# KiCad board ARTIQAmp.kicad_pcb (continued)
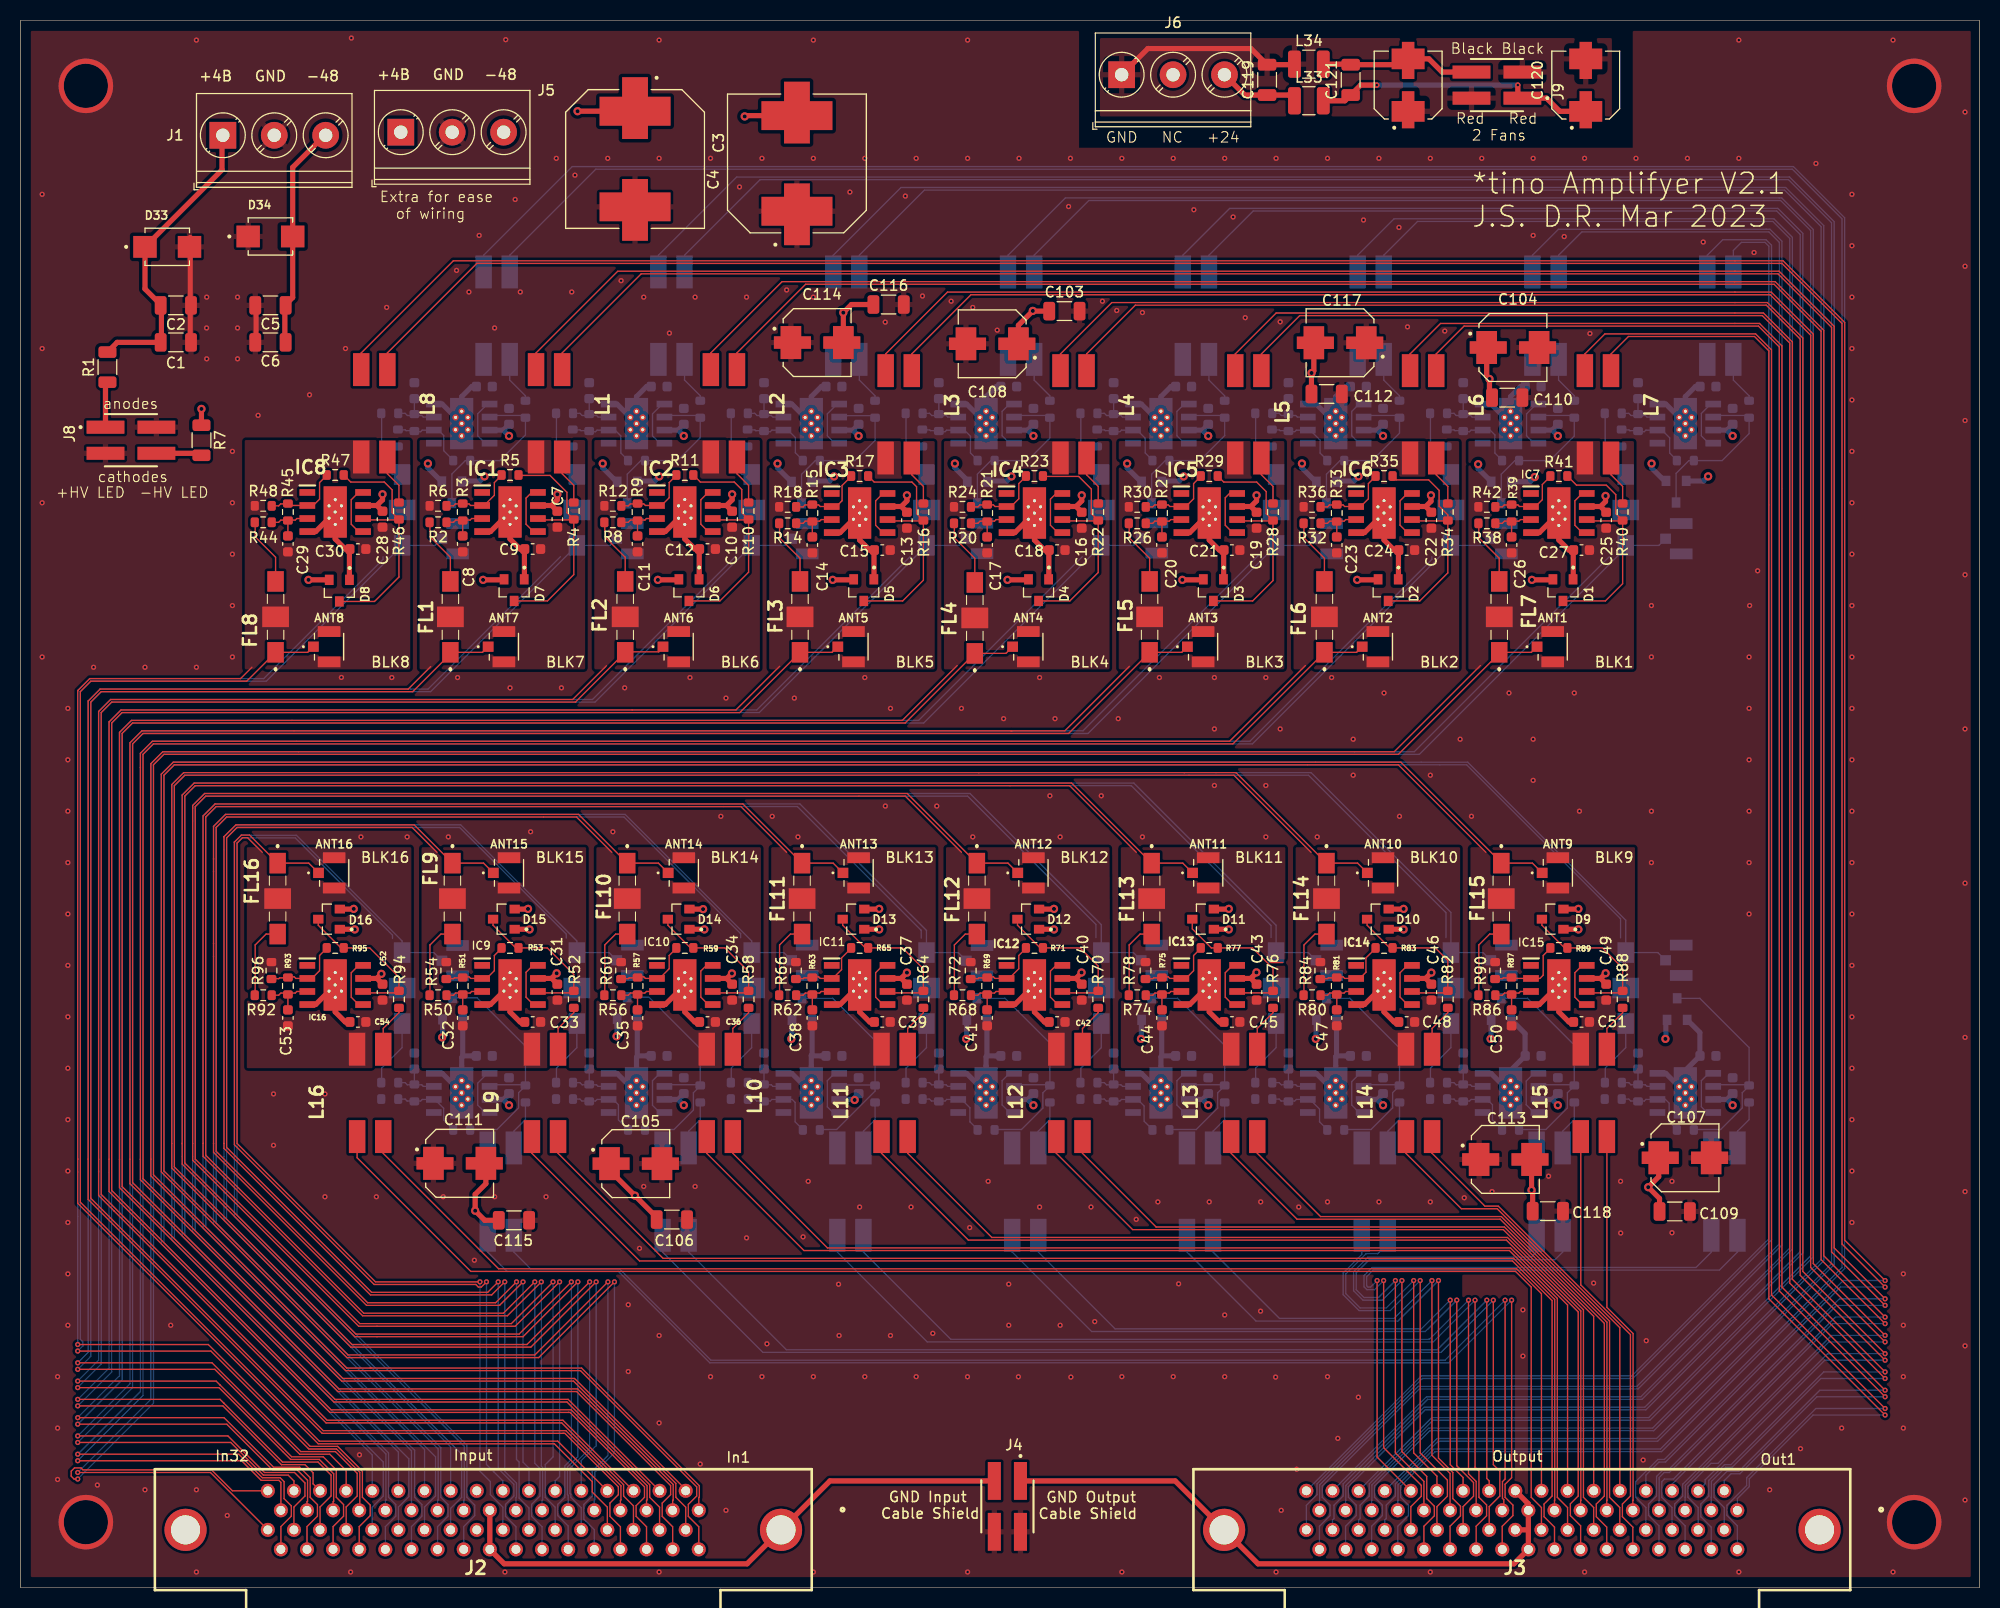
[diagram p0: board, top side]
## Routing (per net, layer and track width the routed paths; a pad name or vN(x,y) marks a point on that pad's centre or on a via; arc(x,y) is an arc through that point) (continued)
Net-(IC2-Pad2): length 7.7
  Top w0.127: 58.39,105.2 59.1,105.2 59.29,105.39 60.61,105.39 60.77,105.23 IC2.2 62.33,105.23 63.08,105.99 63.08,107.46 63.81,108.2
Net-(IC2-Pad5): length 5.3
  Top w0.127: IC2.5 66.87,102.69 66.16,103.41 66.16,105.79 66.87,106.5 IC2.8
Net-(IC3-Pad2): length 7.7
  Top w0.127: 80.81,108.1 79.89,107.18 79.89,105.7 79.33,105.14 IC3.2 77.77,105.14 77.61,105.29 76.29,105.29 76.1,105.1 75.39,105.1
Net-(IC3-Pad5): length 5.3
  Top w0.127: IC3.5 83.87,102.59 83.16,103.31 83.16,105.69 83.87,106.41 IC3.8
Net-(IC4-Pad2): length 7.7
  Top w0.127: 92.39,105.1 93.1,105.1 93.29,105.29 94.61,105.29 94.77,105.14 IC4.2 96.33,105.14 97.08,105.89 97.08,107.36 97.81,108.1
Net-(IC4-Pad5): length 5.4
  Top w0.127: IC4.8 100.71,106.41 100.16,105.85 100.16,103.31 100.87,102.59 IC4.5
Net-(IC5-Pad2): length 7.7
  Top w0.127: 109.39,105.1 110.1,105.1 110.29,105.29 111.61,105.29 111.76,105.14 IC5.2 113.33,105.14 114.08,105.89 114.08,107.36 114.81,108.1
Net-(IC5-Pad5): length 5.5
  Top w0.127: IC5.5 117.87,102.59 117.16,103.31 117.16,105.99 117.57,106.41 IC5.8
Net-(IC6-Pad2): length 7.7
  Top w0.127: 131.81,108.1 131.08,107.36 131.08,105.89 130.33,105.14 IC6.2 128.76,105.14 128.61,105.29 127.29,105.29 127.1,105.1 126.39,105.1
Net-(IC6-Pad5): length 5.3
  Top w0.127: IC6.5 134.87,102.59 134.16,103.31 134.16,105.69 134.87,106.41 IC6.8
Net-(IC7-Pad2): length 7.7
  Top w0.127: 148.81,108.1 147.99,107.28 147.99,105.8 147.33,105.14 IC7.2 145.76,105.14 145.61,105.29 144.29,105.29 144.1,105.1 143.39,105.1
Net-(IC7-Pad5): length 5.3
  Top w0.127: IC7.5 151.87,102.59 151.16,103.31 151.16,105.69 151.87,106.41 IC7.8
Net-(IC8-Pad2): length 7.7
  Top w0.127: 29.81,108.2 29.08,107.46 29.08,105.85 28.46,105.24 IC8.2 26.15,105.24 26,105.39 25.29,105.39 25.1,105.2 24.39,105.2
Net-(IC8-Pad5): length 5.3
  Top w0.127: IC8.8 32.87,106.51 32.16,105.79 32.16,103.41 32.87,102.7 IC8.5
Net-(IC9-Pad2): length 7.6
  Top w0.127: 43,59.29 42.19,59.29 42.11,59.21 41.4,59.21 ; 46.81,62.2 46.08,61.46 46.08,59.99 45.33,59.23 IC9.2 43.77,59.23 43.61,59.39 43,59.39
Net-(IC9-Pad5): length 5.3
  Top w0.127: IC9.8 49.83,60.5 49.16,59.83 49.16,57.41 49.87,56.69 IC9.5
Net-(IC10-Pad2): length 7.5
  Top w0.127: 63.81,62.2 63.08,61.46 63.08,60.18 62.14,59.23 IC10.2 60.77,59.23 60.61,59.39 60,59.39 ; 58.4,59.21 59.11,59.21 59.19,59.29 60,59.29
Net-(IC10-Pad5): length 5.4
  Top w0.127: IC10.5 66.87,56.69 66.16,57.41 66.16,59.95 66.71,60.5 IC10.8
Net-(IC11-Pad2): length 7.4
  Top w0.127: 77,59.39 77.61,59.39 77.77,59.23 IC11.2 78.98,59.23 79.84,60.09 79.84,61.23 80.81,62.2 ; 75.4,59.21 76.11,59.21 76.19,59.29 77,59.29
Net-(IC11-Pad5): length 5.3
  Top w0.127: IC11.5 83.87,56.69 83.16,57.41 83.16,59.8 83.86,60.5 IC11.8
Net-(IC12-Pad2): length 7.5
  Top w0.127: 94,59.39 94.61,59.39 94.77,59.23 IC12.2 96.14,59.23 97.08,60.18 97.08,61.46 97.81,62.2 ; 94,59.29 93.19,59.29 93.11,59.21 92.4,59.21
Net-(IC12-Pad5): length 5.4
  Top w0.127: IC12.8 100.71,60.5 100.16,59.95 100.16,57.41 100.87,56.69 IC12.5
Net-(IC13-Pad2): length 7.6
  Top w0.127: 111,59.39 111.61,59.39 111.76,59.23 IC13.2 113.33,59.23 114.08,59.99 114.08,61.46 114.81,62.2 ; 109.4,59.21 110.11,59.21 110.19,59.29 111,59.29
Net-(IC13-Pad5): length 5.3
  Top w0.127: IC13.5 117.87,56.69 117.16,57.41 117.16,59.79 117.87,60.5 IC13.8
Net-(IC14-Pad2): length 7.5
  Top w0.127: 126.4,59.21 127.11,59.21 127.19,59.29 128,59.29 ; 131.81,62.2 130.84,61.23 130.84,59.84 130.24,59.23 IC14.2 128.76,59.23 128.61,59.39 128,59.39
Net-(IC14-Pad5): length 5.3
  Top w0.127: IC14.8 134.87,60.5 134.16,59.79 134.16,57.41 134.87,56.69 IC14.5
Net-(IC15-Pad2): length 7.8
  Top w0.127: 148.81,62.2 148.08,61.46 148.08,59.55 147.76,59.23 IC15.2 145.05,59.23 145,59.29 144.19,59.29 144.11,59.21 143.4,59.21
Net-(IC15-Pad5): length 5.3
  Top w0.127: IC15.5 151.87,56.69 151.16,57.41 151.16,59.79 151.87,60.5 IC15.8
Net-(IC16-Pad2): length 7.6
  Top w0.127: 24.4,59.21 25.11,59.21 25.19,59.29 26,59.29 ; 29.81,62.2 29.08,61.46 29.08,59.99 28.33,59.23 IC16.2 26.77,59.23 26.61,59.39 26,59.39
Net-(IC16-Pad5): length 5.3
  Top w0.127: IC16.5 32.87,56.69 32.16,57.41 32.16,59.79 32.87,60.5 IC16.8
Net-(IC17-Pad2): length 7.7
  Bottom w0.127: 55.3,112.51 54.49,112.51 54.41,112.59 53.7,112.59 ; 55.3,112.41 55.91,112.41 56.06,112.56 57.81,112.56 58.38,112 58.38,110.34 59.11,109.6
Net-(IC17-Pad5): length 5.1
  Bottom w0.127: 62.61,115.1 62.41,115.1 61.46,114.15 61.46,112.01 62.17,111.3 IC17.8
Net-(IC18-Pad2): length 7.6
  Bottom w0.127: 72.3,112.51 71.49,112.51 71.41,112.59 70.7,112.59 ; 76.11,109.6 75.35,110.36 75.35,111.84 74.63,112.56 73.06,112.56 72.91,112.41 72.3,112.41
Net-(IC18-Pad5): length 5.1
  Bottom w0.127: IC18.5 79.41,115.11 78.46,114.15 78.46,112.01 79.17,111.3 IC18.8
Net-(IC19-Pad2): length 7.7
  Bottom w0.127: 93.11,109.6 92.38,110.34 92.38,111.97 91.78,112.56 90.06,112.56 89.91,112.41 89.3,112.41 ; 89.3,112.51 88.49,112.51 88.41,112.59 87.7,112.59
Net-(IC19-Pad5): length 5.3
  Bottom w0.127: IC19.8 96.17,111.3 95.46,112.01 95.46,114.39 96.17,115.1 96.61,115.1
Net-(IC20-Pad2): length 7.6
  Bottom w0.127: 106.3,112.51 105.49,112.51 105.41,112.59 104.7,112.59 ; 110.11,109.6 109.38,110.34 109.38,111.77 108.59,112.56 107.06,112.56 106.91,112.41 106.3,112.41
Net-(IC20-Pad5): length 5.3
  Bottom w0.127: 113.61,115.1 113.17,115.1 112.46,114.39 112.46,112.01 113.17,111.3 IC20.8
Net-(IC21-Pad2): length 7.5
  Bottom w0.127: 123.3,112.51 122.49,112.51 122.41,112.59 121.7,112.59 ; 123.3,112.41 123.91,112.41 124.06,112.56 125.41,112.56 126.38,111.6 126.38,110.34 127.11,109.6
Net-(IC21-Pad5): length 5.3
  Bottom w0.127: 130.61,115.1 130.17,115.1 129.46,114.39 129.46,112.01 130.17,111.3 IC21.8
Net-(IC22-Pad2): length 7.8
  Bottom w0.127: 140.3,112.41 140.91,112.41 141.06,112.56 142.91,112.56 143.38,112.1 143.38,110.34 144.11,109.6 ; 138.7,112.59 139.41,112.59 139.49,112.51 140.3,112.51
Net-(IC22-Pad5): length 5.1
  Bottom w0.127: IC22.8 147.17,111.3 146.46,112.01 146.46,114.15 147.41,115.1 147.61,115.1
Net-(IC23-Pad2): length 7.6
  Bottom w0.127: 157.3,112.51 156.49,112.51 156.41,112.59 155.7,112.59 ; 161.11,109.6 160.38,110.34 160.38,111.81 159.63,112.56 158.06,112.56 157.91,112.41 157.3,112.41
Net-(IC23-Pad5): length 5.2
  Bottom w0.127: 164.61,115.1 164.37,115.1 163.46,114.19 163.46,112.01 164.17,111.3 IC23.8
Net-(IC24-Pad2): length 7.6
  Bottom w0.127: 38.3,112.41 38.91,112.41 39.06,112.56 40.63,112.56 41.15,112.04 41.15,110.56 42.11,109.6 ; 36.7,112.59 37.41,112.59 37.49,112.51 38.3,112.51
Net-(IC24-Pad5): length 5.1
  Bottom w0.127: IC24.8 45.17,111.3 44.46,112.01 44.46,114.15 45.41,115.1 45.61,115.1
Net-(IC25-Pad2): length 7.7
  Bottom w0.127: 53.69,47.5 54.4,47.5 54.59,47.31 55.91,47.31 56.06,47.47 IC25.2 57.63,47.47 58.14,46.95 58.14,45.47 59.11,44.5
Net-(IC25-Pad5): length 5.3
  Bottom w0.127: IC25.8 62.15,46.19 61.46,46.89 61.46,49.29 62.17,50 IC25.5
Net-(IC26-Pad2): length 7.9
  Bottom w0.127: 70.69,47.5 71.4,47.5 71.59,47.31 72.91,47.31 73.06,47.47 IC26.2 75.03,47.47 75.33,47.17 75.33,45.29 76.11,44.5
Net-(IC26-Pad5): length 5.4
  Bottom w0.127: IC26.5 79.17,50 78.46,49.29 78.46,46.75 79.01,46.19 IC26.8
Net-(IC27-Pad2): length 7.6
  Bottom w0.127: 87.69,47.5 88.4,47.5 88.59,47.31 89.91,47.31 90.06,47.47 IC27.2 91.51,47.47 92.33,46.65 92.33,45.29 93.11,44.5
Net-(IC27-Pad5): length 5.3
  Bottom w0.127: IC27.8 96.19,46.19 95.46,46.92 95.46,49.29 96.17,50 IC27.5
Net-(IC28-Pad2): length 7.7
  Bottom w0.127: 104.69,47.5 105.4,47.5 105.59,47.31 106.91,47.31 107.06,47.47 IC28.2 108.63,47.47 109.27,46.83 109.27,45.35 110.11,44.5
Net-(IC28-Pad5): length 5.3
  Bottom w0.127: IC28.8 113.17,46.19 112.46,46.91 112.46,49.29 113.17,50 IC28.5
Net-(IC29-Pad2): length 7.5
  Bottom w0.127: 121.69,47.5 122.4,47.5 122.59,47.31 123.91,47.31 124.06,47.47 IC29.2 125.39,47.47 126.33,46.53 126.33,45.29 127.11,44.5
Net-(IC29-Pad5): length 5.2
  Bottom w0.127: IC29.5 130.26,50 129.46,49.2 129.46,46.91 130.17,46.19 IC29.8
Net-(IC30-Pad2): length 7.7
  Bottom w0.127: 138.69,47.5 139.4,47.5 139.59,47.31 140.91,47.31 141.06,47.47 IC30.2 142.63,47.47 143.14,46.95 143.14,45.47 144.11,44.5
Net-(IC30-Pad5): length 5.3
  Bottom w0.127: IC30.5 147.17,50 146.42,49.25 146.42,46.95 147.17,46.19 IC30.8
Net-(IC31-Pad2): length 7.9
  Bottom w0.127: 155.69,47.5 156.4,47.5 156.59,47.31 157.91,47.31 158.06,47.47 IC31.2 159.96,47.47 160.33,47.1 160.33,45.29 161.11,44.5
Net-(IC31-Pad5): length 5.4
  Bottom w0.127: IC31.5 164.17,50 163.46,49.29 163.46,46.75 164.01,46.19 IC31.8
Net-(IC32-Pad2): length 7.5
  Bottom w0.127: 36.69,47.5 37.4,47.5 37.59,47.31 38.91,47.31 39.06,47.47 IC32.2 40.28,47.47 41.14,46.61 41.14,45.47 42.11,44.5
Net-(IC32-Pad5): length 5.1
  Bottom w0.127: IC32.5 45.41,50 44.46,49.05 44.46,46.91 45.17,46.19 IC32.8
Net-(J2-Pad17): length 56.8
  Top w0.508: J4.03 78.72,10.36 J2.70 70.66,2.3 47.03,2.3 J2.51 J2.17
Net-(J3-Pad17): length 60.9
  Top w0.508: J3.18 146.63,8.13 J3.17 146.63,5.63 ; 146.63,5.63 J3.51 145.24,2.3 120.34,2.3 112.28,10.36 J4.01 ; 146.63,5.63 146.6,5.6 J3.52
  Bottom w0.508: 146.61,7.52 J3.17
Net-(J6-Pad1): length 18.6
  Top w0.508: 107.08,147.22 J6.1 109.63,149.68 119.65,149.68 C119.2 123.84,148.11 L34.1
Net-(J6-Pad3): length 7.9
  Top w0.508: L33.1 123.33,145.16 C119.1 119.06,145.16 J6.3
Net-(J8-Pad01): length 4.5
  Top w0.508: J8.01 8.26,117.04 R1.1
Net-(J8-Pad04): length 4.5
  Top w0.508: J8.04 17.4,110.31 R7.2
Net-(L1-Pad2): length 4.4
  Top w0.127: 52.67,109.45 52.67,108.32 53.8,107.19 53.8,105.49
Net-(L2-Pad2): length 4.4
  Top w0.127: 69.67,109.45 69.67,108.32 70.8,107.19 70.8,105.49
Net-(L3-Pad2): length 4.4
  Top w0.127: 86.67,109.35 86.67,108.22 87.8,107.09 87.8,105.39
Net-(L4-Pad2): length 4.4
  Top w0.127: 104.8,105.39 104.8,107.09 103.67,108.22 103.67,109.35
Net-(L5-Pad2): length 4.4
  Top w0.127: 120.67,109.35 120.67,108.22 121.8,107.09 121.8,105.39
Net-(L6-Pad2): length 4.4
  Top w0.127: 138.8,105.39 138.8,107.09 137.67,108.22 137.67,109.35
Net-(L7-Pad2): length 4.4
  Top w0.127: 154.67,109.35 154.67,108.22 155.8,107.09 155.8,105.39
Net-(L8-Pad2): length 4.4
  Top w0.127: 36.8,105.49 36.8,107.19 35.67,108.32 35.67,109.45
Net-(L9-Pad1): length 4.2
  Top w0.127: 53.8,56.41 53.8,55.9 52.27,54.37 52.27,52.85
Net-(L10-Pad1): length 4.2
  Top w0.127: 69.27,52.85 69.27,54.37 70.8,55.9 70.8,56.41
Net-(L11-Pad1): length 4.2
  Top w0.127: 86.27,52.85 86.27,54.37 87.8,55.9 87.8,56.41
Net-(L12-Pad1): length 4.2
  Top w0.127: 104.8,56.41 104.8,55.9 103.27,54.37 103.27,52.85
Net-(L13-Pad1): length 4.2
  Top w0.127: 120.27,52.85 120.27,54.37 121.8,55.9 121.8,56.41
Net-(L14-Pad1): length 4.2
  Top w0.127: 138.8,56.41 138.8,55.9 137.27,54.37 137.27,52.85
Net-(L15-Pad1): length 4.2
  Top w0.127: 155.8,56.41 155.8,55.9 154.27,54.37 154.27,52.85
Net-(L16-Pad1): length 4.2
  Top w0.127: 35.27,52.85 35.27,54.37 36.8,55.9 36.8,56.41
Net-(L17-Pad1): length 4.2
  Bottom w0.127: 66.1,115.39 66.1,115.9 64.57,117.43 64.57,118.95
Net-(L18-Pad1): length 4.2
  Bottom w0.127: 83.1,115.39 83.1,115.9 81.57,117.43 81.57,118.95
Net-(L19-Pad1): length 4.2
  Bottom w0.127: 100.1,115.39 100.1,115.9 98.57,117.43 98.57,118.95
Net-(L20-Pad1): length 4.2
  Bottom w0.127: 117.1,115.39 117.1,115.9 115.57,117.43 115.57,118.95
Net-(L21-Pad1): length 4.2
  Bottom w0.127: 132.57,118.95 132.57,117.43 134.1,115.9 134.1,115.39
Net-(L22-Pad1): length 4.2
  Bottom w0.127: 149.57,118.95 149.57,117.43 151.1,115.9 151.1,115.39
Net-(L23-Pad1): length 4.2
  Bottom w0.127: 168.1,115.39 168.1,115.9 166.57,117.43 166.57,118.95
Net-(L24-Pad1): length 4.2
  Bottom w0.127: 49.1,115.39 49.1,115.9 47.57,117.43 47.57,118.95
Net-(L25-Pad2): length 4.4
  Bottom w0.127: 64.97,43.25 64.97,44.38 66.1,45.51 66.1,47.21
Net-(L26-Pad2): length 4.4
  Bottom w0.127: 81.97,43.25 81.97,44.38 83.1,45.51 83.1,47.21
Net-(L27-Pad2): length 4.4
  Bottom w0.127: 98.97,43.25 98.97,44.38 100.1,45.51 100.1,47.21
Net-(L28-Pad2): length 4.4
  Bottom w0.127: 117.1,47.21 117.1,45.51 115.97,44.38 115.97,43.25
Net-(L29-Pad2): length 4.4
  Bottom w0.127: 132.97,43.25 132.97,44.38 134.1,45.51 134.1,47.21
Net-(L30-Pad2): length 4.4
  Bottom w0.127: 149.97,43.25 149.97,44.38 151.1,45.51 151.1,47.21
Net-(L31-Pad2): length 4.4
  Bottom w0.127: 168.1,47.21 168.1,45.51 166.97,44.38 166.97,43.25
Net-(L32-Pad2): length 4.4
  Bottom w0.127: 47.97,43.25 47.97,44.38 49.1,45.51 49.1,47.21

## Copper pours and planes (outline as drawn; the poured copper is in the pictures)
+48V on In2.Cu: 190,1 1,1 1,151.4 102.94,151.4 102.94,140.03 156.78,140.03 156.78,151.4 190,151.4
-48V on In3.Cu: 190,42 1,42 1,120 190,120
-48V on In3.Cu: 190,119.8 1,119.8 1,151.4 102.94,151.4 102.94,140.03 156.78,140.03 156.78,151.4 190,151.4
-48V on In3.Cu: 190,1 1,1 1,42.2 190,42.2
GND on Top: 102.94,140.03 156.78,140.03 156.78,151.4 189.66,151.4 189.66,1 1,1 1,151.4 102.94,151.4
GND on Bottom: 189.66,1 1,1 1,151.4 102.94,151.4 102.94,140.03 156.78,140.03 156.78,151.4 189.66,151.4
GND on In1.Cu: 190,1 1,1 1,151.4 102.94,151.4 102.94,140.03 156.78,140.03 156.78,151.4 190,151.4
GND on In4.Cu: 190,1 1,1 1,151.4 102.94,151.4 102.94,140.03 156.78,140.03 156.78,151.4 190,151.4
/D1_IN_COM on Top: 156.9,89.3 140.8,89.3 140.8,111.5 156.9,111.5
/D2_IN_COM on Top: 139.9,89.3 123.8,89.3 123.8,111.5 139.9,111.5
/D3_IN_COM on Top: 122.9,89.3 106.8,89.3 106.8,111.5 122.9,111.5
/D4_IN_COM on Top: 105.9,89.3 89.8,89.3 89.8,111.5 105.9,111.5
/D5_IN_COM on Top: 88.9,89.3 72.8,89.3 72.8,111.5 88.9,111.5
/D6_IN_COM on Top: 71.9,89.3 55.8,89.3 55.8,111.6 71.9,111.6
/D7_IN_COM on Top: 54.9,89.3 38.8,89.3 38.8,111.6 54.9,111.6
/D8_IN_COM on Top: 37.9,89.3 21.8,89.3 21.8,111.6 37.9,111.6
/D9_IN_COM on Top: 157,50.5 141,50.5 141,72 157,72
/D10_IN_COM on Top: 140,50.5 124,50.5 124,72 140,72
/D11_IN_COM on Top: 123,50.5 107,50.5 107,72 123,72
/D12_IN_COM on Top: 106,50.5 90,50.5 90,72 105.9,72
/D13_IN_COM on Top: 89,50.5 73,50.5 73,72 89,72
/D14_IN_COM on Top: 72,50.5 56,50.5 56,72 72,72
/D15_IN_COM on Top: 55,50.5 39,50.5 39,72 55,72
/D16_IN_COM on Top: 38,50.5 22,50.5 22,72 38,72
/D17_IN_COM on Bottom: 50.2,63.4 34.1,63.4 34.1,41.1 50.2,41.1
/D18_IN_COM on Bottom: 67.2,63.4 51.1,63.4 51.1,41.1 67.2,41.1
/D19_IN_COM on Bottom: 84.2,63.4 68.1,63.4 68.1,41.1 84.2,41.1
/D20_IN_COM on Bottom: 101.2,63.4 85.1,63.4 85.1,41.1 101.2,41.1
/D21_IN_COM on Bottom: 118.2,63.4 102.1,63.4 102.1,41.1 118.2,41.1
/D22_IN_COM on Bottom: 135.2,63.4 119.1,63.4 119.1,41.1 135.2,41.1
/D23_IN_COM on Bottom: 152.2,63.4 136.1,63.4 136.1,41.1 152.2,41.1
/D24_IN_COM on Bottom: 169.2,63.4 153.1,63.4 153.1,41.1 169.2,41.1
/D25_IN_COM on Bottom: 50.2,121.24 34.1,121.24 34.1,99.8 50.2,99.8
/D26_IN_COM on Bottom: 67.2,121.24 51.1,121.24 51.1,99.8 67.2,99.8
/D27_IN_COM on Bottom: 84.2,121.24 68.1,121.24 68.1,99.8 84.2,99.8
/D28_IN_COM on Bottom: 101.2,121.24 85.1,121.24 85.1,99.8 101.2,99.8
/D29_IN_COM on Bottom: 118.2,121.24 102.1,121.24 102.1,99.8 118.2,99.8
/D30_IN_COM on Bottom: 135.2,121.24 119.1,121.24 119.1,99.8 135.2,99.8
/D31_IN_COM on Bottom: 152.2,121.24 136.1,121.24 136.1,99.7 152.2,99.7
/D32_IN_COM on Bottom: 169.2,121.24 153.1,121.24 153.1,99.8 169.2,99.8
Net-(C120-Pad2) on Top: 135.45,150.7 154.75,150.7 154.75,143.08 135.45,143.08
Net-(J6-Pad1) on Top: 104.97,150.7 134.43,150.7 134.43,143.08 104.97,143.08
Net-(J6-Pad3) on Bottom: 104.97,150.7 154.75,150.7 154.75,143.08 104.97,143.08

## Text on the board
B.Silkscreen: +48 | GND | -48 | BLK25 | BLK17 | BLK26 | BLK18 | BLK27 | BLK19 | BLK28 | BLK20 | BLK29 | BLK21 | BLK30 | BLK22 | BLK31 | BLK23 | BLK32 | BLK24
F.Silkscreen: +4B | In32 | GND | -48 | BLK16 | BLK8 | Input | BLK15 | BLK7 | BLK14 | BLK6 | In1 | GND Input / Cable Shield | BLK13 | BLK5 | GND Output / Cable Shield | BLK12 | BLK4 | BLK11 | BLK3 | BLK10 | BLK2 | Output | BLK1 | BLK9 | Out1 | +HV LED | cathodes | anodes | -HV LED | Extra for ease / of wiring | GND   NC   +24 | Black Black | Red   Red / 2 Fans | *tino Amplifyer V2.1 / J.S. D.R. Mar 2023
